# Altium PCB Intermediate_LCL_Revised_new.PcbDoc (part 3 of 3)
Units mil, origin at the board's own origin, x right, y up, seen from the top; angles counter-clockwise.
Board outline 12850 x 6950 mil, 4 copper layers (Top Layer, Lay1, gnd, Bottom Layer), stack 23.756 mil thick; 473 components, 243 nets, 1278 pads, 73 vias.
Unrouted connection lines stored in the file: 289.
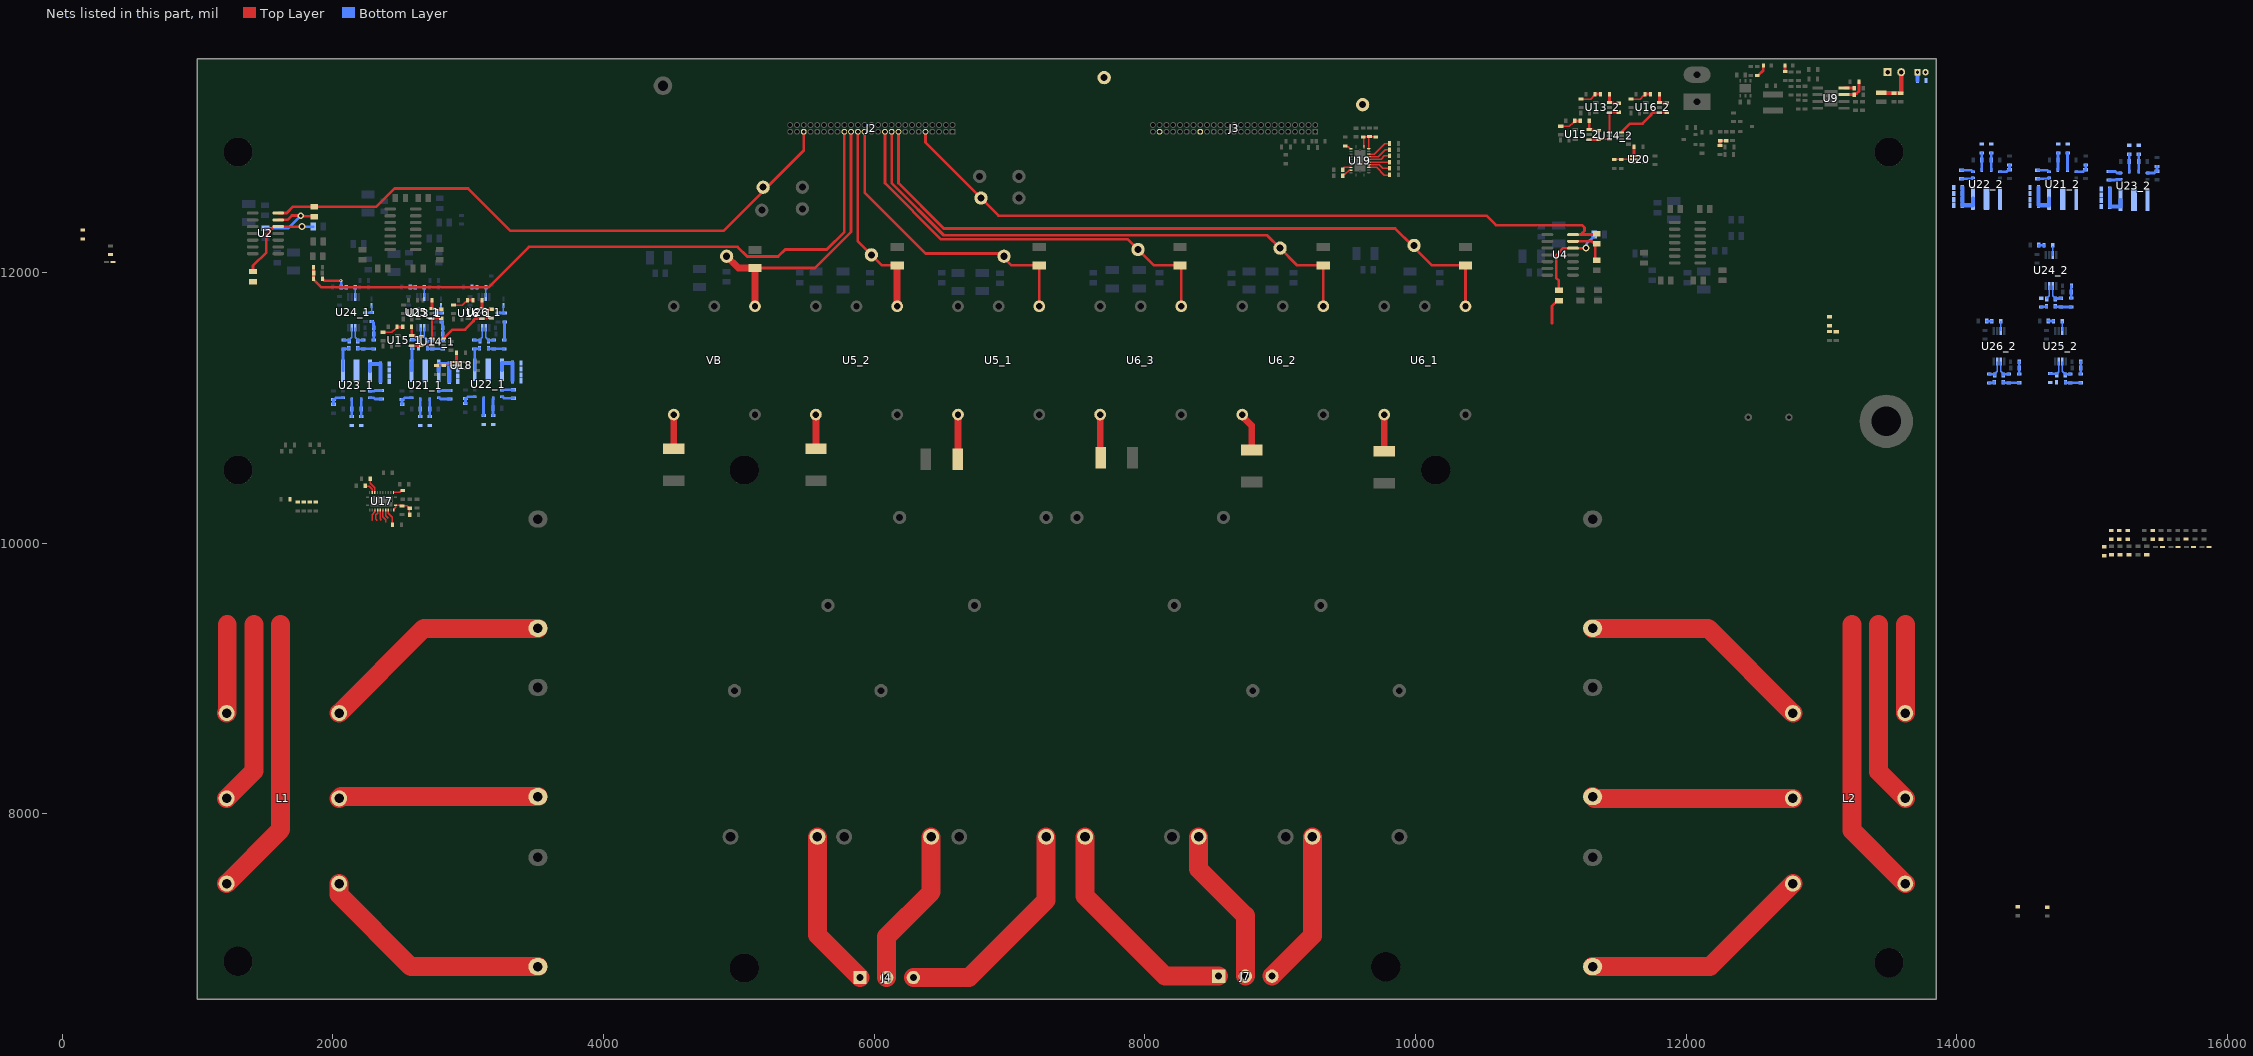
[diagram p4: the nets of this part, all layers, seen from the top]

## Via types
v1: diameter 50, hole 28, Top Layer to Bottom Layer, 40 vias
v2: diameter 20, hole 12, Top Layer to Bottom Layer, 29 vias
v3: diameter 40, hole 20, Top Layer to Bottom Layer, 4 vias

## Nets (pads, with @x,y where several pads share a name; then routed paths per layer and width w, separated by ;. In a path a pad name is that pad's centre, name@x,y a point inside that pad or via, vN(x,y) a via of type N, cw(c..) or ccw(c..) an arc to the next point about the centre after c; other vN are vias at no path point) (continued)
NetC56_2_1: C56_2.1 R57_2.1 R58_2.2 | length 162.2
  Top Layer w10: C56_2.1@11224,13281.21 11294.67,13281.21 11327,13313.54 R57_2.1@11327,13318.46
  Top Layer w20: R57_2.1@11327,13318.46 R58_2.2@11367.89,13318.46
NetC59_1_1: C59_1.1 R60_1.1 R61_1.2 | length 162.7
  Top Layer w10: C59_1.1@2372.51,11558.99 2437,11558.99 2463.77,11585.76 2468.7,11585.76 2475.51,11592.57 R60_1.1@2475.51,11597.49
  Top Layer w20: R60_1.1@2475.51,11597.49 R61_1.2@2516.4,11597.49
NetC59_2_1: C59_2.1 R60_2.1 R61_2.2 | length 162.7
  Top Layer w10: C59_2.1@11074,13081.21 11138.49,13081.21 11165.26,13107.98 11170.19,13107.98 11177,13114.79 R60_2.1@11177,13119.71
  Top Layer w20: R60_2.1@11177,13119.71 R61_2.2@11217.89,13119.71
NetC61_1_1: C61_1.1 R63_1.1 R64_1.2 | length 162.2
  Top Layer w10: C61_1.1@2892.51,11758.99 2958.25,11758.99 2983.77,11784.51 2988.7,11784.51 2995.51,11791.32 R63_1.1@2995.51,11796.24
  Top Layer w20: R63_1.1@2995.51,11796.24 R64_1.2@3036.4,11796.24
NetC61_2_1: C61_2.1 R63_2.1 R64_2.2 | length 162.2
  Top Layer w10: C61_2.1@11594,13281.21 11659.74,13281.21 11685.26,13306.72 11690.19,13306.72 11697,13313.54 R63_2.1@11697,13318.46
  Top Layer w20: R63_2.1@11697,13318.46 R64_2.2@11737.89,13318.46
NetC63_1: C63.1 R66.1 R67.1 U17.23 U17.24 | length 203.7
  Top Layer w10: U17.23@2449.57,10244.53 2449.57,10251.06 2464.33,10265.83 U17.24@2464.33,10278.98 ; U17.24@2464.33,10279.96 2464.61,10279.68 2512.99,10279.68 2515.96,10276.72 2547.69,10276.72 2557.13,10267.28 2557.13,10264.4 2563.94,10257.59 R66.1@2568.86,10257.59 2565.29,10254.02 R67.1@2565.29,10211.4
NetC75_1: C75.1 R100.1 R101.1 U19.23 U19.24 | length 250.2
  Top Layer w10: R100.1@9615.24,13001.28 R100.1@9619.53,13001.28 ; U19.24@9619.53,12929.53 R100.1@9619.53,13001.28 ; U19.23@9654.96,12916.1 9654.96,12995.57 C75.1@9660.68,13001.28 ; R101.1@9706.15,13001.28 C75.1@9660.68,13001.28 ; R100.1@9619.53,13001.28 C75.1@9660.68,13001.28
NetC88_1_2: C88_1.2 R124_1.1 U21_1.6 | length 110.7
  Bottom Layer w20: R124_1.1@2512.06,11026.24 C88_1.2@2512.06,11061.74 2518.95,11061.74 2532.49,11075.29 U21_1.6@2581.67,11075.29
NetC88_2_2: C88_2.2 R124_2.1 U21_2.6 | length 110.7
  Bottom Layer w20: U21_2.6@14883.49,12744.95 14932.66,12744.95 14946.2,12758.5 C88_2.2@14953.09,12758.5 R124_2.1@14953.09,12794
NetC89_1_1: C89_1.1 U21_1.2 | length 86.6
  Bottom Layer w20: U21_1.2@2782.45,11122.53 2786.08,11122.53 2791.05,11127.5 C89_1.1@2867.02,11127.5
NetC89_1_2: C89_1.2 U21_1.3 | length 89
  Bottom Layer w20: U21_1.3@2782.45,11075.29 2786.08,11075.29 2796.85,11064.51 C89_1.2@2867.02,11064.51
NetC89_2_1: C89_2.1 U21_2.2 | length 86.6
  Bottom Layer w20: C89_2.1@14598.13,12692.74 14674.11,12692.74 14679.08,12697.71 U21_2.2@14682.7,12697.71
NetC89_2_2: C89_2.2 U21_2.3 | length 89
  Bottom Layer w20: C89_2.2@14598.13,12755.73 14668.3,12755.73 14679.08,12744.95 U21_2.3@14682.7,12744.95
NetC90_1_1: C90_1.1 R125_1.1 U21_1.4 | length 127.5
  Bottom Layer w20: R125_1.1@2716.39,10936.39 2716.39,11058.75 2717.49,11059.85 U21_1.4@2717.49,11063.48
NetC90_2_1: C90_2.1 R125_2.1 U21_2.4 | length 127.5
  Bottom Layer w20: U21_2.4@14747.66,12756.76 14747.66,12760.39 14748.77,12761.49 R125_2.1@14748.77,12883.85
NetC91_1_1: C91_1.1 R126_1.1 U21_1.5 | length 127.3
  Bottom Layer w20: R126_1.1@2646.17,10936.39 2646.17,11059.39 2646.63,11059.85 U21_1.5@2646.63,11063.48
NetC91_2_1: C91_2.1 R126_2.1 U21_2.5 | length 127.3
  Bottom Layer w20: U21_2.5@14818.53,12756.76 14818.53,12760.39 14818.99,12760.85 R126_2.1@14818.99,12883.85
NetC96_1_2: C96_1.2 R127_1.1 U22_1.6 | length 110.7
  Bottom Layer w20: R127_1.1@2980,11032.92 C96_1.2@2980,11068.43 2986.89,11068.43 3000.43,11081.97 U22_1.6@3049.61,11081.97
NetC96_2_2: C96_2.2 R127_2.1 U22_2.6 | length 110.7
  Bottom Layer w20: U22_2.6@14320.39,12744.95 14369.57,12744.95 14383.11,12758.5 C96_2.2@14390,12758.5 R127_2.1@14390,12794
NetC97_1_1: C97_1.1 U22_1.2 | length 86.6
  Bottom Layer w20: U22_1.2@3250.39,11129.21 3254.02,11129.21 3258.99,11134.18 C97_1.1@3334.96,11134.18
NetC97_1_2: C97_1.2 U22_1.3 | length 89
  Bottom Layer w20: U22_1.3@3250.39,11081.97 3254.02,11081.97 3264.79,11071.19 C97_1.2@3334.96,11071.19
NetC97_2_1: C97_2.1 U22_2.2 | length 86.6
  Bottom Layer w20: C97_2.1@14035.04,12692.74 14111.01,12692.74 14115.98,12697.71 U22_2.2@14119.61,12697.71
NetC97_2_2: C97_2.2 U22_2.3 | length 89
  Bottom Layer w20: C97_2.2@14035.04,12755.73 14105.21,12755.73 14115.98,12744.95 U22_2.3@14119.61,12744.95
NetC98_1_1: C98_1.1 R128_1.1 U22_1.4 | length 127.5
  Bottom Layer w20: R128_1.1@3184.32,10943.07 3184.32,11065.43 3185.43,11066.54 U22_1.4@3185.43,11070.16
NetC98_2_1: C98_2.1 R128_2.1 U22_2.4 | length 127.5
  Bottom Layer w20: U22_2.4@14184.57,12756.76 14184.57,12760.39 14185.68,12761.49 R128_2.1@14185.68,12883.85
NetC99_1_1: C99_1.1 R129_1.1 U22_1.5 | length 127.3
  Bottom Layer w20: R129_1.1@3114.11,10943.07 3114.11,11066.07 3114.57,11066.54 U22_1.5@3114.57,11070.16
NetC99_2_1: C99_2.1 R129_2.1 U22_2.5 | length 127.3
  Bottom Layer w20: U22_2.5@14255.43,12756.76 14255.43,12760.39 14255.89,12760.85 R129_2.1@14255.89,12883.85
NetC104_1_2: C104_1.2 R130_1.1 U23_1.6 | length 110.7
  Bottom Layer w20: R130_1.1@2005.15,11026.24 C104_1.2@2005.15,11061.74 2012.04,11061.74 2025.59,11075.29 U23_1.6@2074.76,11075.29
NetC104_2_2: C104_2.2 R130_2.1 U23_2.6 | length 110.7
  Bottom Layer w20: U23_2.6@15410.39,12734.95 15459.57,12734.95 15473.11,12748.5 C104_2.2@15480,12748.5 R130_2.1@15480,12784
NetC105_1_1: C105_1.1 U23_1.2 | length 86.6
  Bottom Layer w20: U23_1.2@2275.55,11122.53 2275.7,11122.69 2306.6,11122.69 2311.41,11127.5 C105_1.1@2360.12,11127.5
NetC105_1_2: C105_1.2 U23_1.3 | length 89
  Bottom Layer w20: U23_1.3@2275.55,11075.29 2275.7,11075.13 2300.79,11075.13 2311.41,11064.51 C105_1.2@2360.12,11064.51
NetC105_2_1: C105_2.1 U23_2.2 | length 86.6
  Bottom Layer w20: C105_2.1@15125.04,12682.74 15173.74,12682.74 15178.55,12687.55 15209.45,12687.55 U23_2.2@15209.61,12687.71
NetC105_2_2: C105_2.2 U23_2.3 | length 89
  Bottom Layer w20: C105_2.2@15125.04,12745.73 15173.74,12745.73 15184.36,12735.11 15209.45,12735.11 U23_2.3@15209.61,12734.95
NetC106_1_1: C106_1.1 R131_1.1 U23_1.4 | length 127.5
  Bottom Layer w20: R131_1.1@2209.48,10936.39 2210.43,10937.34 2210.43,11063.32 U23_1.4@2210.59,11063.48
NetC106_2_1: C106_2.1 R131_2.1 U23_2.4 | length 127.5
  Bottom Layer w20: U23_2.4@15274.57,12746.76 15274.72,12746.92 15274.72,12872.9 R131_2.1@15275.68,12873.85
NetC107_1_1: C107_1.1 R132_1.1 U23_1.5 | length 127.3
  Bottom Layer w20: R132_1.1@2139.26,10936.39 2139.56,10936.69 2139.56,11063.32 U23_1.5@2139.72,11063.48
NetC107_2_1: C107_2.1 R132_2.1 U23_2.5 | length 127.3
  Bottom Layer w20: U23_2.5@15345.43,12746.76 15345.59,12746.92 15345.59,12873.55 R132_2.1@15345.89,12873.85
NetC109_1_1: C109_1.1 R136_1.2 U24_1.2 | length 144.7
  Bottom Layer w10: U24_1.2@2165.8,11591.65 2165.8,11519.63 C109_1.1@2184.5,11500.93
  Bottom Layer w20: C109_1.1@2184.5,11494.04 2184.5,11497.61 2186.31,11499.42 2223.83,11499.42 R136_1.2@2225.64,11501.24
NetC109_1_2: C109_1.2 R135_1.2 U24_1.3 | length 144.3
  Bottom Layer w10: C109_1.2@2121.5,11500.93 2140.2,11519.63 U24_1.3@2140.2,11591.65
  Bottom Layer w20: R135_1.2@2080.45,11500.93 2082.26,11499.11 2119.69,11499.11 2121.5,11497.3 C109_1.2@2121.5,11494.04
NetC109_2_1: C109_2.1 R136_2.2 U24_2.2 | length 144.7
  Bottom Layer w10: U24_2.2@14710.03,11900.72 14710.03,11828.7 C109_2.1@14728.73,11810
  Bottom Layer w20: C109_2.1@14728.73,11803.11 14728.73,11806.69 14730.54,11808.5 14768.06,11808.5 R136_2.2@14769.87,11810.31
NetC109_2_2: C109_2.2 R135_2.2 U24_2.3 | length 105.4
  Bottom Layer w10: C109_2.2@14665.74,11803.11 14665.74,11810 14684.44,11828.7 U24_2.3@14684.44,11900.72
NetC113_1_1: C113_1.1 R142_1.2 U25_1.2 | length 143.8
  Bottom Layer w10: U25_1.2@2675.8,11591.65 2675.8,11522.4 2697.26,11500.93 C113_1.1@2697.26,11494.04
  Bottom Layer w20: C113_1.1@2699.08,11499.42 2733.83,11499.42 R142_1.2@2735.64,11501.24
NetC113_1_2: C113_1.2 R141_1.2 U25_1.3 | length 151.7
  Bottom Layer w10: C113_1.2@2634.27,11494.04 2634.27,11500.93 2650.2,11516.86 U25_1.3@2650.2,11591.65
  Bottom Layer w20: R141_1.2@2585.77,11503.93 2587.58,11502.11 C113_1.2@2632.46,11502.11
NetC113_2_1: C113_2.1 R142_2.2 U25_2.2 | length 143.8
  Bottom Layer w10: U25_2.2@14780.03,11340.72 14780.03,11271.47 14801.5,11250 C113_2.1@14801.5,11243.11
  Bottom Layer w20: C113_2.1@14803.31,11248.5 14838.06,11248.5 R142_2.2@14839.87,11250.31
NetC113_2_2: C113_2.2 R141_2.2 U25_2.3 | length 151.7
  Bottom Layer w10: C113_2.2@14738.5,11243.11 14738.5,11250 14754.44,11265.93 U25_2.3@14754.44,11340.72
  Bottom Layer w20: R141_2.2@14690,11253 14691.81,11251.19 C113_2.2@14736.69,11251.19
NetC117_1_1: C117_1.1 R148_1.2 U26_1.2 | length 144.7
  Bottom Layer w10: U26_1.2@3131.12,11591.65 3131.12,11519.63 C117_1.1@3149.82,11500.93
  Bottom Layer w20: C117_1.1@3149.82,11494.04 3149.82,11497.61 3151.63,11499.42 3189.15,11499.42 R148_1.2@3190.96,11501.24
NetC117_1_2: C117_1.2 R147_1.2 U26_1.3 | length 144.3
  Bottom Layer w10: C117_1.2@3086.82,11500.93 3105.53,11519.63 U26_1.3@3105.53,11591.65
  Bottom Layer w20: R147_1.2@3045.77,11500.93 3047.58,11499.11 3085.01,11499.11 3086.82,11497.3 C117_1.2@3086.82,11494.04
NetC117_2_1: C117_2.1 R148_2.2 U26_2.2 | length 144.7
  Bottom Layer w10: U26_2.2@14325.35,11340.72 14325.35,11268.7 C117_2.1@14344.05,11250
  Bottom Layer w20: C117_2.1@14344.05,11243.11 14344.05,11246.69 14345.86,11248.5 14383.38,11248.5 R148_2.2@14385.19,11250.31
NetC117_2_2: C117_2.2 R147_2.2 U26_2.3 | length 144.3
  Bottom Layer w10: C117_2.2@14281.06,11250 14299.76,11268.7 U26_2.3@14299.76,11340.72
  Bottom Layer w20: R147_2.2@14240,11250 14241.81,11248.19 14279.24,11248.19 14281.06,11246.38 C117_2.2@14281.06,11243.11
NetDS1_1: DS1.1 R29.1 | length 45
  Top Layer w20: R29.1@12731.2,13485.15 12731.33,13485.28 12731.33,13529.87 DS1.1@12731.46,13530
NetDS2_1: DS2.1 R43.1 | length 96.2
  Top Layer w20: R43.1@12527.45,13455.58 12532.37,13455.58 12571.15,13494.35 12571.15,13528.19 DS2.1@12572.96,13530
NetR2_2: R2.2 R4.2 U2.6 | length 581.1
  Top Layer w20: U2.6@1597.09,12388.86 1665.18,12388.86 1697.3,12420.98 1760.48,12420.98 1766.3,12415.16 1858.9,12415.16 R2.2@1862.6,12411.46
  Bottom Layer w20: R4.2@1502.6,12326.26 1670,12326.26 v1(1762.6,12418.86)
NetR5_2: R5.2 R6.1 U2.5 | length 700.5
  Top Layer w20: R5.2@1410,12000.56 1410,12050 1508.84,12148.84 1508.84,12282.11 1565.59,12338.86 U2.5@1597.09,12338.86 v1(1772.6,12338.86)
  Bottom Layer w20: v1@1772.6,12346.98 v1(1772.6,12338.86) R6.1@1855.2,12338.86
NetR8_2: R8.2 R10.2 U4.6 | length 300.2
  Top Layer w20: U4.6@11164.49,12230 11303.74,12230 11321.14,12212.6 11330,12212.6 11330,12090 R10.2@11326.54,12093.46
NetR11_2: R11.2 R12.1 U4.5 | length 636.8
  Top Layer w20: R11.2@11060,11867.4 11060,11940.56 11040,11960.56 11040,12125.58 11068.82,12154.4 11068.82,12157.64 11091.18,12180 v1(11260,12180)
  Bottom Layer w20: v1(11260,12180) 11265.74,12185.74 11265.74,12214.28 11322.6,12271.14 R12.1@11322.6,12280
NetR13_1_2: R13_1.2 U5_1.5 | length 330.8
  Top Layer w50: R13_1.2@6618.11,10620 6619.06,10620.94 6619.06,10949.06 U5_1.5@6620,10950
NetR13_2_2: R13_2.2 U5_2.5 | length 231.9
  Top Layer w50: R13_2.2@5570,10718.11 U5_2.5@5570,10950
NetR13_3_2: R13_3.2 VB.5 | length 247.2
  Top Layer w50: R13_3.2@4520,10702.76 VB.5@4520,10950
NetR15_1_2: R15_1.2 U6_1.5 | length 271.9
  Top Layer w50: R15_1.2@9770,10678.11 U6_1.5@9770,10950
NetR15_2_2: R15_2.2 U6_2.5 | length 290.9
  Top Layer w50: U6_2.5@8720,10950 8720,10940.09 8790,10870.09 R15_2.2@8790,10688.11
NetR15_3_2: R15_3.2 U6_3.5 | length 321.6
  Top Layer w50: U6_3.5@7670,10950 7671.89,10948.11 7671.89,10631.89 R15_3.2@7673.78,10630
NetR34_2: R34.2 U9.4 | length 77
  Top Layer w20: U9.4@13167,13364 13239.44,13364 13241.65,13361.79 R34.2@13243.11,13361.79
NetR36_2: R36.2 R38.2 U9.3 | length 195.9
  Top Layer w20: U9.3@13167,13314 13167.5,13314.5 13242.83,13314.5 R36.2@13243.41,13315.08 13243.41,13320 13245.22,13321.81 13259.95,13321.81 13277.3,13339.15 13277.3,13410.35 R38.2@13278.08,13411.14
NetR58_1_1: R58_1.1 R59_1.2 U13_1.3 | length 134.4
  Top Layer w20: R58_1.1@2732.4,11796.24 2732.45,11796.19 U13_1.3@2732.51,11734.89 U13_1.3@2732.51,11734.89 2734.32,11733.08 2756.7,11733.08 2761.78,11728 R59_1.2@2802.67,11728
NetR58_2_1: R58_2.1 R59_2.2 U13_2.3 | length 134.4
  Top Layer w20: R58_2.1@11433.89,13318.46 11433.94,13318.4 11433.94,13257.16 U13_2.3@11434,13257.11 11435.81,13255.3 11458.19,13255.3 11463.27,13250.22 R59_2.2@11504.16,13250.22
NetR59_1_1: R59_1.1 U13_1.1 U14_1.1 | length 217.5
  Top Layer w10: U14_1.1@2733.46,11513.65 U14_1.1@2733.81,11513.31 ; R59_1.1@2801.72,11661.05 R59_1.1@2802.67,11662
  Top Layer w15: U14_1.1@2733.46,11513.65 U13_1.1@2733.46,11661.05
  Top Layer w20: U13_1.1@2733.46,11661.05 R59_1.1@2801.72,11661.05
NetR59_2_1: R59_2.1 U13_2.1 U14_2.1 | length 217.5
  Top Layer w10: U14_2.1@11434.95,13035.87 U14_2.1@11435.3,13035.52 ; R59_2.1@11503.21,13183.26 R59_2.1@11504.16,13184.22
  Top Layer w15: U14_2.1@11434.95,13035.87 U13_2.1@11434.95,13183.26
  Top Layer w20: U13_2.1@11434.95,13183.26 R59_2.1@11503.21,13183.26
NetR61_1_1: R61_1.1 R62_1.2 U15_1.3 | length 135.7
  Top Layer w20: R61_1.1@2582.4,11597.49 2582.45,11597.44 U15_1.3@2582.51,11534.89 U15_1.3@2582.51,11534.89 2584.32,11533.08 2606.7,11533.08 2611.77,11528.01 R62_1.2@2652.67,11528.01
NetR61_2_1: R61_2.1 R62_2.2 U15_2.3 | length 135.7
  Top Layer w20: R61_2.1@11283.89,13119.71 R61_2.1@11283.89,13119.71 11283.94,13057.16 U15_2.3@11284,13057.11 11285.81,13055.3 11308.19,13055.3 11313.26,13050.22 R62_2.2@11354.16,13050.22
NetR62_1_1: R62_1.1 U14_1.3 U15_1.1 | length 152.1
  Top Layer w10: R62_1.1@2652.67,11462.01 2652.73,11462.07 U14_1.3@2733.81,11462.13 U14_1.3@2733.81,11462.13
  Top Layer w20: U15_1.1@2582.51,11461.05 R62_1.1@2645.84,11461.05 ; R62_1.1@2645.84,11460.09 2647.75,11462.01 R62_1.1@2652.67,11462.01
NetR62_2_1: R62_2.1 U14_2.3 U15_2.1 | length 152.1
  Top Layer w10: R62_2.1@11354.16,12984.22 11354.22,12984.28 11435.24,12984.28 U14_2.3@11435.3,12984.34
  Top Layer w20: U15_2.1@11284,12983.26 R62_2.1@11347.33,12983.26 ; R62_2.1@11347.33,12982.31 11349.24,12984.22 R62_2.1@11354.16,12984.22
NetR64_1_1: R64_1.1 R65_1.2 U16_1.3 | length 134.4
  Top Layer w20: R64_1.1@3102.4,11796.24 3102.45,11796.19 U16_1.3@3102.51,11734.89 U16_1.3@3102.51,11734.89 3104.32,11733.08 3126.7,11733.08 3131.78,11728 R65_1.2@3172.67,11728
NetR64_2_1: R64_2.1 R65_2.2 U16_2.3 | length 116.9
  Top Layer w20: R64_2.1@11803.89,13318.46 11803.94,13318.4 11803.94,13257.16 U16_2.3@11804,13257.11 11805.81,13255.3 11828.19,13255.3 11833.27,13250.22 R65_2.2@11856.67,13250.22
NetR65_1_1: R65_1.1 U14_1.6 U16_1.1 | length 414.8
  Top Layer w20: U14_1.6@2822.71,11515.59 2884.91,11577.79 2977.62,11577.79 3039.82,11640 3039.82,11647.09 3052.82,11660.09 U16_1.1@3102.51,11660.09 ; U16_1.1@3102.51,11661.05 R65_1.1@3165.84,11661.05 ; R65_1.1@3165.84,11660.09 3167.75,11662 R65_1.1@3172.67,11662
NetR65_2_1: R65_2.1 U14_2.6 U16_2.1 | length 401.3
  Top Layer w20: U14_2.6@11524.2,13037.81 11586.4,13100.01 11679.11,13100.01 11741.31,13162.21 11741.31,13169.31 11754.31,13182.31 U16_2.1@11804,13182.31 ; U16_2.1@11804,13183.26 R65_2.1@11861.48,13183.26
NetR70_2: R70.2 U17.2 | length 73.8
  Top Layer w10: U17.2@2448.58,10374.45 2495.62,10374.45 2511.04,10389.86 R70.2@2515.96,10389.86
NetR90_1: R90.1 U17.9 | length 114.5
  Top Layer w10: R90.1@2277.26,10475.08 2277.26,10442.74 2310.79,10409.21 U17.9@2310.79,10374.45
NetR91_1: R91.1 U17.10 | length 86.7
  Top Layer w10: R91.1@2239.97,10425.73 2245.7,10420 2270,10420 2291.1,10398.9 U17.10@2291.1,10374.45
NetR93_2: R93.2 R94.2 U18.2 | length 147.9
  Top Layer w10: R93.2@2767.19,11314.33 2767.95,11313.57 R94.2@2820.42,11313.57 ; R94.2@2820.48,11312.91 2820.42,11312.96 R94.2@2820.42,11313.57 ; U18.2@2914.05,11313.57 R94.2@2820.42,11313.57
NetR105_2: R105.2 U19.2 | length 52.7
  Top Layer w10: R105.2@9481.25,12935.24 9488.06,12928.43 9503.85,12928.43 9518.5,12913.78 U19.2@9525.04,12913.78
NetR119_1: R119.1 U19.9 | length 71.5
  Top Layer w10: R119.1@9463,12760 9463,12764.92 9474.06,12775.98 U19.9@9525.04,12775.98
NetR120_1: R120.1 U19.10 | length 82.7
  Top Layer w10: R120.1@9463,12713.5 9463,12718.42 9469.81,12725.23 9478.67,12725.23 9509.47,12756.02 9524.76,12756.02 U19.10@9525.04,12756.3
NetR122_2: R122.2 R123.2 U20.2 | length 147.9
  Top Layer w10: R122.2@11468.58,12835.79 U20.2@11615.54,12835.79
  Top Layer w20: R122.2@11467.92,12835.12 R122.2@11468.58,12835.79
NetR138_1_2: R138_1.2 U24_1.7 | length 71.6
  Bottom Layer w10: U24_1.7@2165.8,11814.49 2165.9,11814.59 2165.9,11885.89 R138_1.2@2166,11885.99
NetR138_2_2: R138_2.2 U24_2.7 | length 71.6
  Bottom Layer w10: U24_2.7@14710.03,12123.56 14710.13,12123.67 14710.13,12194.96 R138_2.2@14710.23,12195.06
NetR144_1_2: R144_1.2 U25_1.7 | length 71.6
  Bottom Layer w10: U25_1.7@2675.8,11820 2675.9,11820.1 2675.9,11891.39 R144_1.2@2676,11891.5
NetR144_2_2: R144_2.2 U25_2.7 | length 71.6
  Bottom Layer w10: U25_2.7@14780.03,11569.07 14780.13,11569.17 14780.13,11640.47 R144_2.2@14780.23,11640.57
NetR150_1_2: R150_1.2 U26_1.7 | length 71.6
  Bottom Layer w10: U26_1.7@3131.12,11820 3131.22,11820.1 3131.22,11891.39 R150_1.2@3131.32,11891.5
NetR150_2_2: R150_2.2 U26_2.7 | length 71.6
  Bottom Layer w10: U26_2.7@14325.35,11569.07 14325.45,11569.17 14325.45,11640.47 R150_2.2@14325.55,11640.57
PGND: C53.2 C54.1 C84_1.1 C84_2.1 C85_1.2 C85_2.2 C86_1.1 C86_2.1 C87_1.1 C87_2.1 C92_1.1 C92_2.1 C93_1.2 C93_2.2 C94_1.1 C94_2.1 C95_1.1 C95_2.1 C100_1.1 C100_2.1 C101_1.2 C101_2.2 C102_1.1 C102_2.1 C103_1.1 C103_2.1 P1.1 R55.2 R56.2 U21_1.9 U21_2.9 U22_1.9 U22_2.9 U23_1.9 U23_2.9
Ph-A1: R133_1.2 R135_1.1 U23_1.8 | length 208.7
  Bottom Layer w20: U23_1.8@2074.76,11273.32 2074.76,11433.11 2076.57,11434.93 R135_1.1@2080.45,11434.93 2082.26,11436.74 2116.69,11436.74 2118.5,11438.55 R133_1.2@2118.5,11441.5
Ph-A2: R133_2.2 R135_2.1 U23_2.8 | length 42.5
  Bottom Layer w20: R135_2.1@14624.68,11744 14626.49,11745.81 14660.92,11745.81 14662.73,11747.62 R133_2.2@14662.73,11750.57
Ph-B1: R139_1.2 R141_1.1 U21_1.8 | length 166.3
  Bottom Layer w20: U21_1.8@2581.67,11273.32 2581.67,11343.2 2585.77,11347.3 R141_1.1@2585.77,11437.93
Ph-B2: R139_2.2 R141_2.1 U21_2.8
Ph-C1: R145_1.2 R147_1.1 U22_1.8 | length 197.6
  Bottom Layer w20: R147_1.1@3045.77,11434.93 3047.8,11434.93 3049.61,11433.11 U22_1.8@3049.61,11280 ; R147_1.1@3047.58,11436.74 3082.01,11436.74 3083.82,11438.55 R145_1.2@3083.82,11441.5
Ph-C2: R145_2.2 R147_2.1 U22_2.8 | length 42.5
  Bottom Layer w20: R147_2.1@14240,11184 14241.81,11185.81 14276.24,11185.81 14278.05,11187.62 R145_2.2@14278.05,11190.57
PWM_AH1: R107.1 R131_1.2 U19.21 | length 185.9
  Top Layer w10: U19.21@9654.96,12875.39 9695.39,12875.39 9773.11,12953.11 R107.1@9808.68,12953.11
PWM_AH2: R78.1 R131_2.2 U17.21 | length 121.5
  Top Layer w10: U17.21@2410.2,10244.53 2410.2,10220.2 2438.7,10191.69 R78.1@2438.7,10134.8
PWM_AL1: R108.1 R132_1.2 U19.20 | length 175
  Top Layer w10: U19.20@9654.96,12855.71 9725.71,12855.71 9777.11,12907.11 R108.1@9808.68,12907.11
PWM_AL2: R79.1 R132_2.2 U17.20 | length 70.1
  Top Layer w10: U17.20@2390.51,10244.53 2390.51,10204.22 2411.58,10183.15
PWM_BH1: R109.1 R125_1.2 U19.19 | length 164.1
  Top Layer w10: U19.19@9654.96,12836.02 9746.02,12836.02 9771.11,12861.11 R109.1@9808.68,12861.11
PWM_BH2: R80.1 R125_2.2 U17.19 | length 98
  Top Layer w10: U17.19@2370.83,10244.53 2370.83,10193.23 2390.7,10173.36 2390.7,10154.72
PWM_BL1: R110.1 R126_1.2 U19.18 | length 154.2
  Top Layer w10: U19.18@9654.96,12816.34 9807.45,12816.34 R110.1@9808.68,12815.11
PWM_BL2: R81.1 R126_2.2 U17.18 | length 79.7
  Top Layer w10: U17.18@2351.14,10244.53 2351.14,10179.16 2359.35,10170.96 2359.35,10168.25
PWM_CH1: R111.1 R128_1.2 U19.17 | length 165.1
  Top Layer w10: U19.17@9654.96,12796.65 9733.35,12796.65 9760,12770 9807.79,12770 R111.1@9808.68,12769.11
PWM_CH2: R82.1 R128_2.2 U17.17 | length 85.8
  Top Layer w10: 2325.67,10166.41 2325.67,10168.7 2325.67,10171.41 2319.25,10177.83 2319.25,10209.25 2331.46,10221.46 U17.17@2331.46,10244.53
PWM_CL1: R112.1 R129_1.2 U19.16 | length 178.6
  Top Layer w10: U19.16@9654.96,12776.97 9713.03,12776.97 9770,12720 9805.57,12720 R112.1@9808.68,12723.11
PWM_CL2: R83.1 R129_2.2 U17.16 | length 85.3
  Top Layer w10: 2288.87,10168.7 2290,10169.83 2290,10211.02 2311.77,10232.79 U17.16@2311.77,10244.53
PWM_EN_1: J3.35 R92.2 TP12.1 U18.1 | length 65
  Top Layer w20: R92.2@2914,11406.78 2914,11341.81 U18.1@2914.05,11341.76
PWM_EN_2: J3.47 R121.2 TP18.1 U20.1 | length 65.2
  Top Layer w20: U20.1@11615.54,12863.97 11615.89,12864.32 R121.2@11615.89,12929
V_capA_1: J2.27 R14_1.2 TP8.1 U5_1.2 | length 2265.5
  Top Layer w20: J2.27@5930,13040 5930,12590 6380,12140 6924.1,12140 6949.1,12115 6955,12115 7016.93,12053.07 R14_1.2@7220,12053.07 U5_1.2@7220,11750
V_capA_2: J2.29 R14_2.2 TP9.1 U5_2.2 | length 1476.4
  Top Layer w20: J2.29@5880,13040 5880,12230 TP9.1@5980,12130 6056.93,12053.07 R14_2.2@6170,12053.07
  Top Layer w50: U5_2.2@6170,11750 R14_2.2@6170,12053.07
V_capA_3: J2.31 R14_3.2 TP10.1 VB.2 | length 2089.6
  Top Layer w20: R14_3.2@5120,12033.07 5563.07,12033.07 5830,12300 J2.31@5830,13040
  Top Layer w50: TP10.1@4910,12120 4996.93,12033.07 R14_3.2@5120,12033.07 VB.2@5120,11750
V_capB_1: J2.17 R16_1.2 TP5.1 U6_1.2 | length 5124.5
  Top Layer w20: J2.17@6180,13040 6180,12660 6514.46,12325.54 9850,12325.54 9977.77,12197.77 10007.77,12167.77 10122.47,12053.07 R16_1.2@10370,12053.07 U6_1.2@10370,11750
V_capB_2: J2.19 R16_2.2 TP6.1 U6_2.2 | length 4124.5
  Top Layer w20: J2.19@6130,13040 6130,12660 6514.79,12275.21 8904.79,12275.21 TP6.1@9000,12180 9126.93,12053.07 R16_2.2@9320,12053.07 U6_2.2@9320,11750
V_capB_3: J2.21 R16_3.2 TP7.1 U6_3.2 | length 3110.1
  Top Layer w20: J2.21@6080,13040 6080,12660 6494.79,12245.21 7874.79,12245.21 TP7.1@7950,12170 8066.93,12053.07 R16_3.2@8260,12053.07 ; U6_3.2@8270,11750 R16_3.2@8270,12043.07
  Bottom Layer w50: U6_3.2@8266.01,11753.99 U6_3.2@8270,11750
V_o_outA_1: J4.3 L4_1.2 | length 1686.6
  Top Layer w140: J4.3@6290,6790 6700,6790 7271.26,7361.26 L4_1.2@7271.26,7830
V_o_outA_2: J4.2 L4_2.2 | length 1175.9
  Top Layer w140: J4.2@6093.15,6790 6093.15,7093.15 6421.26,7421.26 L4_2.2@6421.26,7830
V_o_outA_3: J4.1 L4_3.2 | length 1170.5
  Top Layer w140: L4_3.2@5581.26,7830 5581.26,7105.04 J4.1@5896.3,6790
V_o_outB_1: J7.3 L6_1.2 | length 1153.7
  Top Layer w140: J7.3@8940,6800 9238.74,7098.74 L6_1.2@9238.74,7830
V_o_outB_2: J7.2 L6_2.2 | length 1172.7
  Top Layer w140: L6_2.2@8398.74,7830 8398.74,7591.26 8743.15,7246.85 J7.2@8743.15,6800
V_o_outB_3: J7.1 L6_3.2 | length 1671.2
  Top Layer w140: L6_3.2@7558.74,7830 7558.74,7391.26 8150,6800 J7.1@8546.3,6800
V_termA_1: L1.4 L3_1.1 | length 1728.8
  Top Layer w140: L1.4@2046.42,8744.31 2672.95,9370.84 L3_1.1@3515.71,9370.84
V_termA_2: L1.5 L3_2.1 | length 1474.6
  Top Layer w140: L1.5@2046.42,8114.39 2059.33,8127.3 L3_2.1@3515.71,8127.3
V_termA_3: L1.6 L3_3.1 | length 1771.8
  Top Layer w140: L1.6@2046.42,7484.46 2046.42,7402.02 2577.6,6870.84 L3_3.1@3515.71,6870.84
V_termB_1: L2.4 L5_1.1 | length 1733.5
  Top Layer w140: L5_1.1@11310,6870.46 12175.67,6870.46 L2.4@12789.29,7484.08
V_termB_2: L2.5 L5_2.1 | length 1484.5
  Top Layer w140: L5_2.1@11310,8126.46 11322.46,8114 L2.5@12789.29,8114
V_termB_3: L2.6 L5_3.1 | length 1738.8
  Top Layer w140: L5_3.1@11310,9370.46 12162.76,9370.46 L2.6@12789.29,8743.92
VA1: C108_1.1 R69.1 R134_1.1 R137_1.2 | length 146
  Bottom Layer w20: R69.1@2287.01,11637.4 2291.93,11637.4 2301.19,11628.15 2301.19,11593.31 R137_1.2@2303,11591.5 2303,11546.08 2303,11503.51 2301.19,11501.7 R134_1.1@2301.11,11501.7
VA2: C108_2.1 R96.1 R134_2.1 R137_2.2 | length 90.6
  Bottom Layer w20: R134_2.1@14845.34,11810.77 14845.42,11810.77 14847.23,11812.58 R137_2.2@14847.23,11900.57
VA11: C69.1 D3.2 R69.2 | length 98.9
  Bottom Layer w10: R69.2@2287.01,11703.4 2289.1,11705.49 2289.1,11752.91 D3.2@2287.01,11755
  Bottom Layer w20: C69.1@2242.66,11700.4 2244.17,11701.9 2285.51,11701.9 R69.2@2287.01,11703.4
VA22: C80.1 D7.2 R96.2
VA-Motor1: L1.1 | length 657.9
  Top Layer w140: L1.1@1215.71,8743.92 1220,8748.21 1220,9400
VA-Motor2: L2.1 | length 2079
  Top Layer w140: 13226.3,9400 13226.3,7877.78 L2.1@13620,7484.08
VA_Motor1: R133_1.1 R134_1.2 R136_1.1 | length 120.9
  Bottom Layer w20: R133_1.1@2184.5,11441.5 2184.5,11438.86 2186.31,11437.05 2223.83,11437.05 R136_1.1@2225.64,11435.24 2225.87,11435.47 2300.88,11435.47 R134_1.2@2301.11,11435.7
VA_Motor2: R133_2.1 R134_2.2 R136_2.1 | length 120.9
  Bottom Layer w20: R133_2.1@14728.73,11750.57 14728.73,11747.93 14730.54,11746.12 14768.06,11746.12 R136_2.1@14769.87,11744.31 14770.1,11744.54 14845.11,11744.54 R134_2.2@14845.34,11744.77
VB1: C112_1.1 R71.1 R140_1.1 R143_1.2 | length 141
  Bottom Layer w20: R71.1@2803.49,11635.06 2808.42,11635.06 2811.19,11632.29 2811.19,11593.31 R143_1.2@2813,11591.5 2813,11503.51 2811.19,11501.7 R140_1.1@2811.11,11501.7
VB2: C112_2.1 R97.1 R140_2.1 R143_2.2 | length 90.6
  Bottom Layer w20: R140_2.1@14915.34,11250.77 14915.42,11250.77 14917.23,11252.58 R143_2.2@14917.23,11340.57
VB11: C66.1 D2.2 R71.2 | length 95.2
  Bottom Layer w10: R71.2@2800,11702.87 D2.2@2800,11755
  Bottom Layer w20: C66.1@2761.35,11698.85 2762.46,11699.96 2802.39,11699.96 R71.2@2803.49,11701.06
VB22: C77.1 D6.2 R97.2
VB-Motor1: L1.2 | length 1368.9
  Top Layer w140: L1.2@1215.71,8114.39 1416.85,8315.53 1416.85,9400
VB-Motor2: L2.2 | length 1367.5
  Top Layer w140: 13423.15,9400 13423.15,8310.85 L2.2@13620,8114
VB_Motor1: R139_1.1 R140_1.2 R142_1.1 | length 117.1
  Bottom Layer w20: R139_1.1@2698.77,11441.5 2698.77,11437.51 2700.58,11435.7 2735.64,11435.7 R140_1.2@2811.11,11435.7
VB_Motor2: R139_2.1 R140_2.2 R142_2.1 | length 117.1
  Bottom Layer w20: R139_2.1@14803,11190.57 14803,11186.58 14804.81,11184.77 R140_2.2@14915.34,11184.77
VBUS: C44.1 C45.1 C53.1 C54.2 C84_1.2 C84_2.2 C85_1.1 C85_2.1 C86_1.2 C86_2.2 C87_1.2 C87_2.2 C92_1.2 C92_2.2 C93_1.1 C93_2.1 C94_1.2 C94_2.2 C95_1.2 C95_2.2 C100_1.2 C100_2.2 C101_1.1 C101_2.1 C102_1.2 C102_2.2 C103_1.2 C103_2.2 L8.1 P1.2 R32.2 U21_1.1 U21_2.1 U22_1.1 U22_2.1 U23_1.1 U23_2.1 | length 1908.5
  Top Layer w30: L8.1@13441.76,13327.63 13443.1,13326.29 13588.15,13326.29 13590,13328.14 P1.2@13590,13480
  Bottom Layer w30: U23_1.1@2275.55,11273.32 2275.55,11322.02 2276.77,11323.24 C100_1.2@2353.66,11323.24 C101_1.1@2353.66,11279.91 C102_1.2@2353.66,11236.57 C103_1.2@2353.66,11193.24 ; U21_1.1@2782.45,11273.32 2782.45,11322.02 2783.67,11323.24 C84_1.2@2860.56,11323.24 C85_1.1@2860.56,11279.91 C86_1.2@2860.56,11236.57 C87_1.2@2860.56,11193.24 ; U22_1.1@3250.39,11280 3250.39,11328.7 3251.61,11329.92 C94_1.2@3328.5,11329.92 C95_1.2@3328.5,11286.59 C92_1.2@3328.5,11243.25 C93_1.1@3328.5,11199.92 ; C53.1@13710,13480 13710.33,13479.67 13710.33,13417.43 C54.2@13710.66,13417.1 ; C93_2.1@14041.5,12627 C92_2.2@14041.5,12583.67 C95_2.2@14041.5,12540.33 C94_2.2@14041.5,12497 14118.39,12497 14119.61,12498.22 U22_2.1@14119.61,12546.92 ; C87_2.2@14604.59,12627 C86_2.2@14604.59,12583.67 C85_2.1@14604.59,12540.33 C84_2.2@14604.59,12497 14681.48,12497 14682.7,12498.22 U21_2.1@14682.7,12546.92 ; C103_2.2@15131.5,12617 C102_2.2@15131.5,12573.67 C101_2.1@15131.5,12530.33 C100_2.2@15131.5,12487 15208.39,12487 15209.61,12488.22 U23_2.1@15209.61,12536.92
VC1: C116_1.1 R72.1 R146_1.1 R149_1.2 | length 134.9
  Bottom Layer w20: R146_1.1@3266.43,11501.7 3266.51,11501.7 3268.32,11503.51 R149_1.2@3268.32,11591.5 3269.16,11592.34 3269.16,11634.22 R72.1@3270,11635.06
VC2: C116_2.1 R98.1 R146_2.1 R149_2.2 | length 90.6
  Bottom Layer w20: R146_2.1@14460.66,11250.77 R146_2.1@14460.66,11250.77 14462.55,11252.58 R149_2.2@14462.55,11340.57
VC11: C70.1 D4.2 R72.2 | length 108
  Bottom Layer w10: D4.2@3260,11755 3260,11707.87 3266.81,11701.06 R72.2@3270,11701.06
  Bottom Layer w20: C70.1@3220,11698.05 3226.89,11698.05 3229.9,11701.06 R72.2@3266.81,11701.06
VC22: C81.1 D8.2 R98.2
VC-Motor1: L1.3 | length 2080.4
  Top Layer w140: L1.3@1215.71,7484.46 1613.7,7882.46 1613.7,9400
VC-Motor2: L2.3 | length 656.1
  Top Layer w140: L2.3@13620,8743.92 13620,9400
VC_Motor1: R145_1.1 R146_1.2 R148_1.1 | length 120.9
  Bottom Layer w20: R145_1.1@3149.82,11441.5 3149.82,11438.86 3151.63,11437.05 3189.15,11437.05 R148_1.1@3190.96,11435.24 3191.19,11435.47 3266.2,11435.47 R146_1.2@3266.43,11435.7
VC_Motor2: R145_2.1 R146_2.2 R148_2.1 | length 120.9
  Bottom Layer w20: R145_2.1@14344.05,11190.57 14344.05,11187.93 14345.86,11186.12 14383.38,11186.12 R148_2.1@14385.19,11184.31 14385.43,11184.54 14460.43,11184.54 R146_2.2@14460.66,11184.77
VDC: C43.1 R32.1 R35.2 R68.1 R95.1
VDCA_In: C65.1 D1.2 R5.1 R68.2
VDCA_Out: J2.45 R2.1 TP16.1 U2.7 | length 4471.4
  Top Layer w20: U2.7@1597.09,12438.86 1659.66,12438.86 1707.06,12486.26 R2.1@1862.6,12486.26 2321.56,12486.26 2455.3,12620 3000,12620 3310.79,12309.21 4889.21,12309.21 5480,12900 J2.45@5480,13040
VDCB_In: C76.1 D5.2 R11.1 R95.2 | length 193.5
  Top Layer w20: 11010,11625 11010,11751.46 11051.14,11792.6 R11.1@11060,11792.6
VDCB_Out: J2.09 R8.1 TP4.1 U4.7 | length 5428.2
  Top Layer w20: J2.09@6380,13040 6380,12960 TP4.1@6790,12550 6920,12420 10526.07,12420 10596.07,12350 11232.43,12350 11250,12332.43 11250,12307.57 11232.43,12290 ; U4.7@11164.49,12280 11165.18,12280.69 11232.43,12280.69 11323.29,12280.69 R8.1@11330,12287.4
VREF1: C110_1.1 C110_2.1 C114_1.1 C114_2.1 C118_1.1 C118_2.1 R25.1 R26.2 R27.2 R76.1 R138_1.1 R138_2.1 R144_1.1 R144_2.1 R150_1.1 R150_2.1 | length 501.8
  Top Layer w20: R76.1@1922.86,11954.49 1922.86,11949.57 1924.67,11947.76 1929.59,11947.76 1937.35,11940 v2(2060,11940) ; R27.2@12250.7,12937.25 12251.33,12937.87 12251.33,12972.77 R25.1@12251.95,12973.39 12252.26,12973.7 12295.24,12973.7 R26.2@12295.55,12974.01
  Bottom Layer w10: C118_1.1@3027.96,11893.46 C118_1.1@3029.93,11891.5 ; C118_2.1@14222.19,11642.54 C118_2.1@14224.16,11640.57
  Bottom Layer w20: v2(2060,11940) 2062.64,11937.36 C110_1.1@2062.64,11893.46 ; C110_1.1@2063.62,11891.5 R138_1.1@2099.02,11891.5 ; R138_1.1@2099.02,11886.97 R138_1.1@2100,11885.99 ; C114_1.1@2572.64,11893.46 2573.62,11892.48 2609.02,11892.48 R144_1.1@2610,11891.5 ; C118_1.1@3029.93,11891.5 R150_1.1@3065.32,11891.5 ; C118_2.1@14224.16,11640.57 R150_2.1@14259.55,11640.57 ; C110_2.1@14606.87,12197.03 C110_2.1@14607.85,12196.05 ; C110_2.1@14607.85,12200.57 R138_2.1@14643.25,12200.57 ; R138_2.1@14643.25,12196.05 R138_2.1@14644.23,12195.06 ; C114_2.1@14676.87,11642.54 14677.85,11641.55 14713.25,11641.55 R144_2.1@14714.23,11640.57
VREF2: R104.1
VREFA: C64.1 J2.33 R76.2 R77.1 | length 5009.2
  Top Layer w20: R77.1@1857,12040 1857.94,12039.06 1857.94,11998.68 C64.1@1858.88,11997.74 1857.87,11996.72 1857.87,11955.5 R76.2@1856.86,11954.49 1856.86,11949.57 1916.43,11890 3150,11890 3449.21,12189.21 4990.69,12189.21 5062.5,12117.4 5291.04,12117.4 5343.64,12170 5650,12170 5780,12300 J2.33@5780,13040
VREFB: C74.1 R104.2 R106.1
pads on no net: J3.25 J3.27 J3.29 J3.31 J3.33 J3.37 J3.39 J3.41 J3.42 J3.43 J3.44 J3.45 J3.46 J3.48 J3.49 J3.50 J8.1 J9.1 J10.1 J11.1 J12.1 J13.1 J14.1 J15.1 J16.1 U2.8 U2.9 U2.10 U2.12 U2.13 U2.14 U4.8 U4.9 U4.10 U4.12 U4.13 U4.14 U9.V U11.7 U17.14 U17.15 U17.V U19.14 U19.15 U19.V

## Polygon pours and split planes (outlines as drawn)
GND on Bottom Layer "Bottom Layer-AGND" (solid, remove dead copper, pour order 7): 12560,11360 12560,10630 12160,10630 12160,11360 10740,11360 10740,11790 10560,11970 3210,11970 2600,11360 1170,11360 1170,13550 13010,13550 13010,11810
C2_Neut on Bottom Layer "C2_NEUT_L04_P001" (solid, pour order 1): 7438.65,11258.89 7438.65,9758.89 8618.65,8578.89 10598.65,8578.89 10598.65,11258.42 10601.35,11261.11
C1_Neut on Bottom Layer "C1_NEUT_L04_P000" (solid, pour order 0): 7320,11250 7320,9760 6163.04,8603.04 4240,8603.04 4240,11250
-15V on Bottom Layer "-15V_L04_P004" (solid, pour order 4): 9880,11460 9880,11580 9880,12680 9660,12680 9660,11680 4640,11680 4640,12440 4420,12440 4420,11460
Earth on Bottom Layer "EARTH_L04_P008" (solid, pour order 8): 13780,11300 13780,10630 12720,10630 12720,11300
-15V on Top Layer "tga" (solid, remove dead copper, pour order 5): 7280,13290 7880,12690 9890,12690 9890,12550 7620,12550 7030,13140 4930,13140 4640,12850 4640,12350 4420,12350 4420,12900 4810,13290
+15V on Top Layer "+15V_L01_P002" (solid, pour order 2): 4760,11470 10140,11470 10140,11680 4760,11680

## Silkscreen, mask and mechanical layers (free items; w line width, h text height)
Top Overlay:
  drawing of 119 lines, arcs and shapes, not listed
  text "Inverter 2" at 6760,12830 h60
  text "Inverter 1" at 4870,12740 h60
  text "EPWM" at 7347,12737 h42
  text "1A/B" at 7347,12677 h42
  text "EPWM" at 5747,12647 h42
  text "2A/B" at 7347,12617 h42
  text "6B/A" at 5747,12587 h42
  text "3A/B" at 7347,12557 h42
  text "5B/A" at 5747,12527 h42
  text "4B/A" at 5747,12467 h42
  text "LCL1" at 2240,11220 h60
  text "LCL2" at 11040,11200 h60
  text "Isolation" at 3720,11160 h60
  text "Cf_A" at 2997,11054 h42
  text "Cf_C" at 11177,11044 h42
  text "Lf_A" at 2587,10974 h42
  text "Lf_C" at 11587,10974 h42
  text "Cf_B" at 2927,10924 h42
  text "Cf_B" at 11237,10914 h42
  text "Channels" at 1717,10867 h42
  text "Lf_B" at 2587,10824 h42
  text "Lf_B" at 11587,10824 h42
  text "L_CM" at 2337,10804 h42
  text "Cf_C" at 2857,10794 h42
  text "L_CM" at 11837,10794 h42
  text "Cf_A" at 11327,10784 h42
  text "C1" at 1967,10777 h42
  text "VC_1A" at 1707,10774 h42
  text "C2" at 1967,10717 h42
  text "VC_1B" at 1707,10714 h42
  text "Lg_C" at 2851,10693 h42 r270
  text "Lg_B" at 3001,10693 h42 r270
  text "Lg_A" at 3151,10693 h42 r270
  text "Lg_C" at 11131,10683 h42 r270
  text "Lg_B" at 11281,10683 h42 r270
  text "Lg_A" at 11441,10683 h42 r270
  text "Lf_C" at 2587,10674 h42
  text "Lf_A" at 11587,10674 h42
  text "C3" at 1967,10657 h42
  text "VC_1C" at 1707,10654 h42
  text "D1" at 1967,10597 h42
  text "IL_1A" at 1707,10594 h42
  text "D2" at 1967,10537 h42
  text "IL_1B" at 1707,10534 h42
  text "Earth" at 13360,10510 h60
  text "D3" at 1967,10477 h42
  text "IL_1C" at 1707,10474 h42
  text "D4" at 1967,10407 h42
  text "VDC_1" at 1707,10404 h42
  text "B2" at 1967,10297 h42
  text "VC_2A" at 1707,10294 h42
  text "B3" at 1967,10237 h42
  text "VC_2B" at 1707,10234 h42
  text "B4" at 1967,10177 h42
  text "VC_2C" at 1707,10174 h42
  text "A2" at 1967,10117 h42
  text "IL_2A" at 1707,10114 h42
  text "A3" at 1967,10057 h42
  text "IL_2B" at 1707,10054 h42
  text "A1" at 1967,9997 h42
  text "IL_2C" at 1707,9994 h42
  text "A4" at 1967,9927 h42
  text "VDC_2" at 1707,9924 h42
  text "A" at 13208.44,9592 h60
  text "B" at 13405.29,9592 h60
  text "C" at 13602.15,9592 h60
  text "A" at 1190,9582 h60
  text "B" at 1389,9582 h60
  text "C" at 1585.85,9582 h60
  text "BOOSTXL-3PHGANINV Interface Board" at 6662.87,9072.87 h49.21
  text "Imperial College Dept. of EEE" at 6893.94,8987.06 h39.37
  text "FYP for ytc19" at 7213.94,8897.06 h39.37
  text "Ver2.1" at 7343.94,8813.94 h39.37
  text "C B A" at 9140,6800 h60
  text "C B A" at 5400,6760 h60

## Text inside footprints (layer, text, board x,y; h text height)
U9: Mechanical 13 "*" at 13189.5,13198 h50 r180; Top Overlay "*" at 13189.5,13198 h50 r180